# KiCad board coils_12_35_10_8_layer.kicad_pcb (continued)
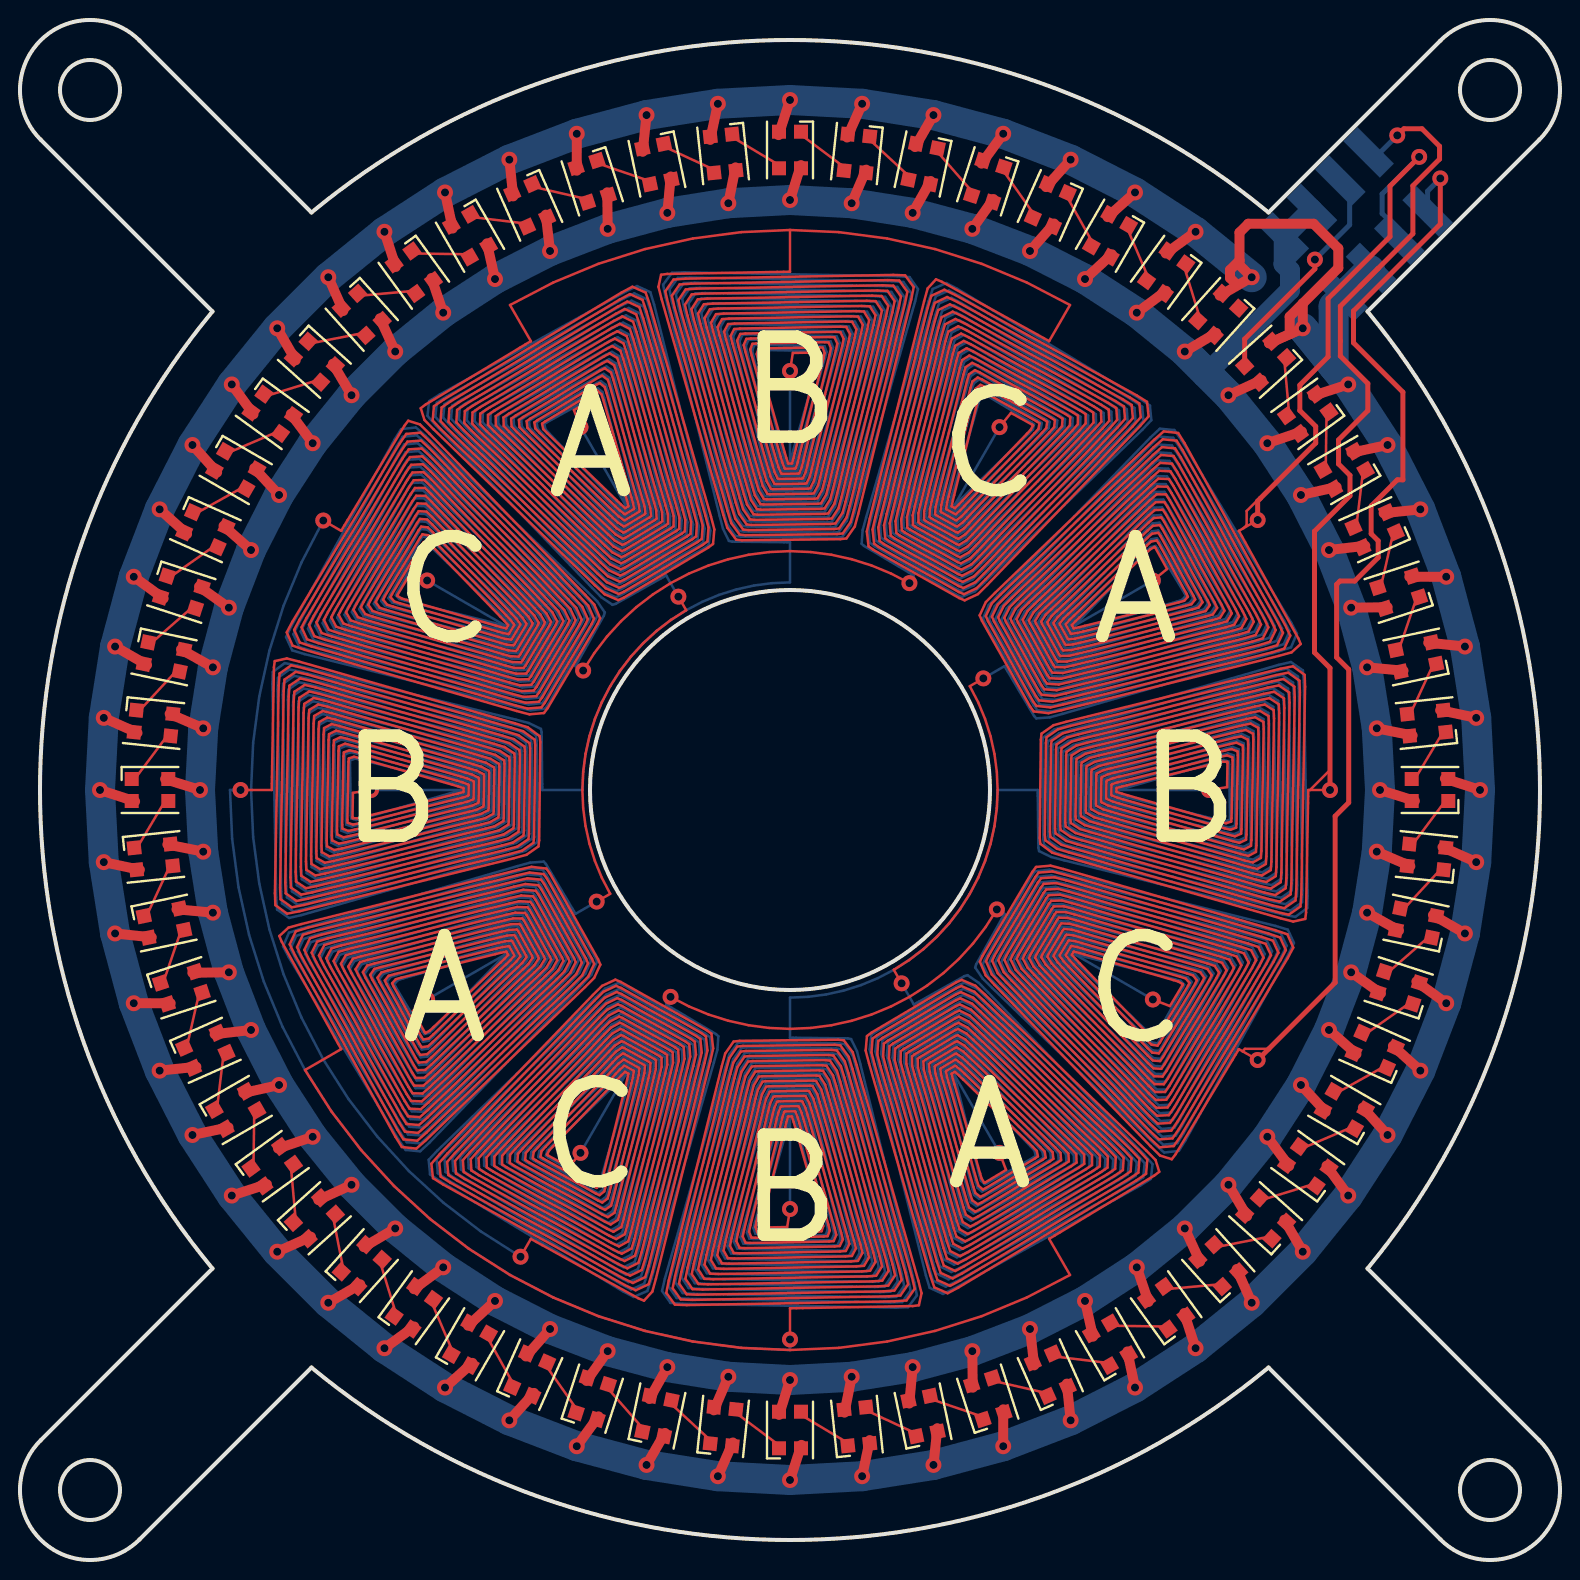
[diagram p0: board, top side]
## Routing (per net, layer and track width the routed paths; a pad name or vN(x,y) marks a point on that pad's centre or on a via; arc(x,y) is an arc through that point) (continued)
  In2.Cu w0.127: v1(20.36,28.03) 19.65,27.45 20.23,26.4 20.27,26.35 20.49,26.47 20.69,26.65 24.03,29.87 24.22,30.06 24.4,30.24 24.41,30.26 24.32,30.41 24.3,30.42 24.04,30.36 23.76,30.29 19.06,29.12 18.79,29.04 18.61,28.84 18.67,28.68 20.07,26.16 20.16,26.02 20.44,26.08 20.66,26.28 24.31,29.78 24.52,29.99 24.71,30.21 24.71,30.25 24.47,30.67 24.44,30.69 24.14,30.65 23.84,30.57 18.73,29.3 18.43,29.21 18.24,28.97 18.32,28.79 19.98,25.8 20.09,25.64 20.4,25.68 20.64,25.9 24.59,29.7 24.82,29.93 25.02,30.18 25.01,30.23 24.61,30.93 24.57,30.97 24.24,30.93 23.92,30.86 18.39,29.47 18.08,29.38 17.87,29.11 17.97,28.91 19.88,25.45 20.01,25.26 20.35,25.29 20.61,25.52 24.87,29.62 25.12,29.87 25.33,30.15 25.31,30.22 24.76,31.2 24.71,31.25 24.35,31.22 24,31.14 18.06,29.65 17.72,29.55 17.51,29.25 17.62,29.02 19.79,25.09 19.93,24.87 20.31,24.9 20.58,25.14 25.15,29.54 25.42,29.8 25.63,30.12 25.61,30.2 24.9,31.46 24.84,31.53 24.45,31.51 24.07,31.42 17.73,29.83 17.36,29.72 17.14,29.39 17.27,29.13 19.7,24.73 19.86,24.49 20.26,24.5 20.56,24.77 25.43,29.46 25.72,29.74 25.94,30.08 25.9,30.19 25.05,31.72 24.97,31.8 24.55,31.79 24.15,31.7 17.39,30.01 17,29.89 16.78,29.53 16.91,29.24 19.61,24.37 19.78,24.1 20.22,24.11 20.53,24.39 25.72,29.38 26.02,29.68 26.25,30.05 26.2,30.17 25.19,31.98 25.11,32.08 24.65,32.08 24.23,31.98 17.06,30.19 16.65,30.07 16.41,29.67 16.56,29.35 19.51,24.02 19.7,23.72 20.17,23.72 20.51,24.01 26,29.3 26.32,29.61 26.56,30.02 26.5,30.16 25.33,32.24 25.24,32.36 24.76,32.37 24.31,32.26 16.72,30.37 16.29,30.24 16.05,29.81 16.21,29.46 19.42,23.66 19.63,23.34 20.13,23.32 20.48,23.63 26.28,29.21 26.61,29.55 26.86,29.99 26.8,30.15 25.48,32.5 25.38,32.63 24.86,32.65 24.39,32.54 16.39,30.54 15.93,30.41 15.68,29.95 15.86,29.57 19.33,23.3 19.55,22.95 20.08,22.93 20.45,23.26 26.56,29.13 26.91,29.49 27.17,29.96 27.1,30.13 25.62,32.76 25.51,32.91 24.96,32.94 24.46,32.82 16.06,30.72 15.57,30.58 15.31,30.09 15.51,29.69 19.24,22.94 19.48,22.57 20.04,22.54 20.43,22.88 26.84,29.05 27.21,29.42 27.48,29.93 27.4,30.12 25.77,33.02 25.65,33.19 25.06,33.23 24.54,33.11 15.72,30.9 15.22,30.75 14.95,30.23 15.16,29.8 19.14,22.59 19.4,22.18 19.99,22.14 20.4,22.5 27.12,28.97 27.51,29.36 27.79,29.9 27.7,30.1 25.91,33.28 25.78,33.46 25.17,33.51 24.62,33.39 15.39,31.08 14.86,30.92 14.58,30.36 14.8,29.91 19.05,22.23 19.32,21.8 19.95,21.75 20.37,22.12 27.4,28.89 27.81,29.3 28.09,29.86 28,30.09 26.06,33.55 25.91,33.74 25.27,33.8 24.7,33.67 15.05,31.26 14.5,31.09 14.22,30.5 14.45,30.02 18.96,21.87 19.25,21.42 19.9,21.36 20.35,21.75 27.69,28.81 28.11,29.23 28.4,29.83 28.3,30.07 26.2,33.81 26.05,34.02 25.37,34.09 24.78,33.95 14.72,31.44 14.15,31.26 13.85,30.64 14.1,30.13 18.87,21.52 19.17,21.03 19.86,20.96 20.32,21.37 27.97,28.73 28.41,29.17 28.71,29.8 28.6,30.06 26.35,34.07 26.18,34.29 25.48,34.37 24.85,34.23 14.39,31.61 13.79,31.43 13.49,30.78 13.75,30.24 18.77,21.16 19.09,20.65 19.81,20.57 20.3,20.99 28.25,28.64 28.71,29.11 29.02,29.77 28.9,30.04 26.49,34.33 26.32,34.57 25.58,34.66 24.93,34.51 14.05,31.79 13.42,31.62 12.97,31.2 13.09,30.91 16.06,25.54 14.25,24.5 15.56,22.44 17.05,20.5 18.7,18.7 20.5,17.05 22.44,15.56 24.5,14.25 26.67,13.12 28.92,12.19 31.25,11.45 33.64,10.93 36.06,10.61 38.5,10.5 40.94,10.61 43.36,10.93 45.75,11.45 48.08,12.19 50.33,13.12 52.5,14.25 51.46,16.06 56.71,19.22 56.96,19.41 56.78,20 56.32,20.47 48.26,28.26 47.77,28.71 47.09,29.01 46.81,28.88 42.59,26.38 42.35,26.2 42.28,25.47 42.45,24.84 45.51,14.23 45.72,13.63 46.38,13.34 46.91,13.62 55.81,18.97 56.3,19.31 56.37,20.02 55.94,20.48 48.18,27.98 47.72,28.41 47.06,28.7 46.81,28.58 42.85,26.24 42.63,26.07 42.57,25.37 42.73,24.77 45.68,14.57 45.87,13.99 46.51,13.71 47.01,13.97 55.45,19.05 55.92,19.37 55.97,20.05 55.56,20.49 48.11,27.7 47.66,28.11 47.04,28.39 46.8,28.29 43.12,26.1 42.91,25.94 42.86,25.28 43.02,24.7 45.84,14.91 46.03,14.36 46.63,14.08 47.11,14.33 55.09,19.13 55.53,19.43 55.58,20.08 55.18,20.5 48.04,27.41 47.61,27.81 47.02,28.09 46.8,27.99 43.39,25.97 43.19,25.82 43.15,25.18 43.3,24.63 46.01,15.25 46.19,14.72 46.76,14.45 47.21,14.69 54.73,19.21 55.15,19.5 55.18,20.12 54.8,20.52 47.96,27.13 47.55,27.51 47,27.78 46.79,27.69 43.65,25.83 43.48,25.69 43.45,25.09 43.59,24.56 46.17,15.59 46.35,15.08 46.88,14.82 47.31,15.04 54.37,19.29 54.76,19.56 54.79,20.15 54.43,20.53 47.89,26.85 47.5,27.21 46.98,27.47 46.79,27.39 43.92,25.69 43.76,25.56 43.74,24.99 43.87,24.49 46.34,15.93 46.51,15.45 47.01,15.19 47.4,15.4 54,19.37 54.37,19.62 54.39,20.18 54.05,20.54 47.82,26.57 47.44,26.92 46.95,27.16 46.78,27.09 44.19,25.55 44.04,25.44 44.03,24.9 44.16,24.42 46.51,16.27 46.66,15.81 47.14,15.56 47.5,15.75 53.64,19.45 53.99,19.68 54,20.21 53.67,20.55 47.74,26.28 47.39,26.62 46.93,26.86 46.78,26.79 44.45,25.42 44.32,25.31 44.32,24.81 44.44,24.35 46.67,16.61 46.82,16.17 47.26,15.93 47.6,16.11 53.28,19.53 53.6,19.75 53.6,20.24 53.29,20.57 47.67,26 47.34,26.32 46.91,26.55 46.77,26.5 44.72,25.28 44.6,25.18 44.61,24.71 44.73,24.28 46.84,16.95 46.98,16.53 47.39,16.3 47.7,16.46 52.92,19.61 53.21,19.81 53.21,20.27 52.91,20.58 47.6,25.72 47.28,26.02 46.89,26.24 46.77,26.2 44.99,25.14 44.89,25.06 44.9,24.62 45.01,24.21 47.01,17.29 47.14,16.9 47.51,16.67 47.8,16.82 52.56,19.69 52.83,19.87 52.81,20.3 52.53,20.59 47.53,25.44 47.23,25.72 46.87,25.94 46.76,25.9 45.25,25 45.17,24.93 45.19,24.52 45.29,24.14 47.17,17.63 47.3,17.26 47.64,17.04 47.9,17.18 52.2,19.77 52.44,19.93 52.42,20.33 52.16,20.6 47.45,25.15 47.17,25.42 46.84,25.63 46.76,25.6 45.52,24.87 45.45,24.81 45.48,24.43 45.58,24.07 47.34,17.97 47.45,17.62 47.76,17.41 48,17.53 51.84,19.85 52.06,20 52.02,20.36 51.78,20.62 47.38,24.87 47.12,25.12 46.82,25.32 46.75,25.3 45.79,24.73 45.73,24.68 45.77,24.33 45.86,24 47.5,18.31 47.61,17.99 47.89,17.78 48.09,17.89 51.48,19.93 51.67,20.06 51.63,20.39 51.4,20.63 47.31,24.59 47.06,24.82 46.8,25.02 46.75,25 46.05,24.59 46.02,24.55 46.06,24.24 46.15,23.93 47.67,18.65 47.77,18.35 48.02,18.16 48.19,18.24 51.12,20.01 51.28,20.12 51.23,20.42 51.02,20.64 47.23,24.31 47.01,24.52 46.78,24.71 46.74,24.71 46.32,24.46 46.3,24.43 46.35,24.14 46.43,23.86 47.84,18.99 47.93,18.71 48.14,18.53 48.29,18.6 50.76,20.09 50.9,20.18 50.84,20.45 50.64,20.66 47.16,24.02 46.96,24.22 46.75,24.4 46.73,24.41 46.58,24.32 46.58,24.3 46.64,24.05 46.72,23.79 48,19.33 48.08,19.08 48.21,18.86 48.27,18.88 49.3,19.5 v1(48.98,20.36) ; v1(61.88,25) 60.94,25.54 57.78,20.29 57.59,20.04 57,20.22 56.53,20.68 48.74,28.74 48.29,29.23 47.99,29.91 48.12,30.19 50.62,34.41 50.8,34.65 51.53,34.72 52.16,34.55 62.77,31.49 63.37,31.28 63.66,30.62 63.38,30.09 58.03,21.19 57.69,20.7 56.98,20.63 56.52,21.06 49.02,28.82 48.59,29.28 48.3,29.94 48.42,30.19 50.76,34.15 50.93,34.37 51.63,34.43 52.23,34.27 62.43,31.32 63.01,31.13 63.29,30.49 63.03,29.99 57.95,21.55 57.63,21.08 56.95,21.03 56.51,21.44 49.3,28.89 48.89,29.34 48.61,29.96 48.71,30.2 50.9,33.88 51.06,34.09 51.72,34.14 52.3,33.98 62.09,31.16 62.64,30.97 62.92,30.37 62.67,29.89 57.87,21.91 57.57,21.47 56.92,21.42 56.5,21.82 49.59,28.96 49.19,29.39 48.91,29.98 49.01,30.2 51.03,33.61 51.18,33.81 51.82,33.85 52.37,33.7 61.75,30.99 62.28,30.81 62.55,30.24 62.31,29.79 57.79,22.27 57.5,21.85 56.88,21.82 56.48,22.2 49.87,29.04 49.49,29.45 49.22,30 49.31,30.21 51.17,33.35 51.31,33.52 51.91,33.55 52.44,33.41 61.41,30.83 61.92,30.65 62.18,30.12 61.96,29.69 57.71,22.63 57.44,22.24 56.85,22.21 56.47,22.57 50.15,29.11 49.79,29.5 49.53,30.02 49.61,30.21 51.31,33.08 51.44,33.24 52.01,33.26 52.51,33.13 61.07,30.66 61.55,30.49 61.81,29.99 61.6,29.6 57.63,23 57.38,22.63 56.82,22.61 56.46,22.95 50.43,29.18 50.08,29.56 49.84,30.05 49.91,30.22 51.45,32.81 51.56,32.96 52.1,32.97 52.58,32.84 60.73,30.49 61.19,30.34 61.44,29.86 61.25,29.5 57.55,23.36 57.32,23.01 56.79,23 56.45,23.33 50.72,29.26 50.38,29.61 50.14,30.07 50.21,30.22 51.58,32.55 51.69,32.68 52.19,32.68 52.65,32.56 60.39,30.33 60.83,30.18 61.07,29.74 60.89,29.4 57.47,23.72 57.25,23.4 56.76,23.4 56.43,23.71 51,29.33 50.68,29.66 50.45,30.09 50.5,30.23 51.72,32.28 51.82,32.4 52.29,32.39 52.72,32.27 60.05,30.16 60.47,30.02 60.7,29.61 60.54,29.3 57.39,24.08 57.19,23.79 56.73,23.79 56.42,24.09 51.28,29.4 50.98,29.72 50.76,30.11 50.8,30.23 51.86,32.01 51.94,32.11 52.38,32.1 52.79,31.99 59.71,29.99 60.1,29.86 60.33,29.49 60.18,29.2 57.31,24.44 57.13,24.17 56.7,24.19 56.41,24.47 51.56,29.47 51.28,29.77 51.06,30.13 51.1,30.24 52,31.75 52.07,31.83 52.48,31.81 52.86,31.71 59.37,29.83 59.74,29.7 59.96,29.36 59.82,29.1 57.23,24.8 57.07,24.56 56.67,24.58 56.4,24.84 51.85,29.55 51.58,29.83 51.37,30.16 51.4,30.24 52.13,31.48 52.19,31.55 52.57,31.52 52.93,31.42 59.03,29.66 59.38,29.55 59.59,29.24 59.47,29 57.15,25.16 57,24.94 56.64,24.98 56.38,25.22 52.13,29.62 51.88,29.88 51.68,30.18 51.7,30.25 52.27,31.21 52.32,31.27 52.67,31.23 53,31.14 58.69,29.5 59.01,29.39 59.22,29.11 59.11,28.91 57.07,25.52 56.94,25.33 56.61,25.37 56.37,25.6 52.41,29.69 52.18,29.94 51.98,30.2 52,30.25 52.41,30.95 52.45,30.98 52.76,30.94 53.07,30.85 58.35,29.33 58.65,29.23 58.84,28.98 58.76,28.81 56.99,25.88 56.88,25.72 56.58,25.77 56.36,25.98 52.69,29.77 52.48,29.99 52.29,30.22 52.29,30.26 52.54,30.68 52.57,30.7 52.86,30.65 53.14,30.57 58.01,29.16 58.29,29.07 58.47,28.86 58.4,28.71 56.91,26.24 56.82,26.1 56.55,26.16 56.34,26.36 52.98,29.84 52.78,30.04 52.6,30.25 52.59,30.27 52.68,30.42 52.7,30.42 52.95,30.36 53.21,30.28 57.67,29 57.92,28.92 58.14,28.79 58.12,28.73 57.5,27.7 v1(56.64,28.03) ; v1(38.5,59.45) 38.64,60.35 39.84,60.37 39.91,60.36 39.91,60.11 39.85,59.85 38.74,55.35 38.67,55.09 38.6,54.84 38.59,54.82 38.41,54.82 38.4,54.84 38.32,55.09 38.24,55.37 36.91,60.03 36.84,60.3 36.92,60.56 37.09,60.58 39.97,60.63 40.14,60.62 40.23,60.35 40.17,60.06 38.95,55.15 38.88,54.86 38.78,54.59 38.75,54.57 38.26,54.57 38.23,54.58 38.12,54.86 38.03,55.16 36.58,60.23 36.51,60.52 36.62,60.81 36.82,60.83 40.23,60.89 40.43,60.88 40.55,60.58 40.48,60.27 39.16,54.95 39.08,54.63 38.97,54.34 38.91,54.32 38.11,54.31 38.06,54.33 37.92,54.63 37.83,54.95 36.26,60.43 36.18,60.75 36.32,61.06 36.54,61.08 40.5,61.15 40.73,61.13 40.87,60.82 40.8,60.48 39.37,54.74 39.29,54.41 39.15,54.09 39.08,54.07 37.95,54.05 37.88,54.07 37.73,54.4 37.62,54.74 35.94,60.63 35.86,60.97 36.01,61.3 36.27,61.33 40.76,61.41 41.02,61.39 41.18,61.06 41.11,60.69 39.59,54.54 39.49,54.18 39.33,53.84 39.24,53.82 37.8,53.8 37.71,53.82 37.53,54.17 37.42,54.53 35.62,60.83 35.53,61.2 35.71,61.55 36,61.57 41.02,61.67 41.31,61.65 41.5,61.29 41.42,60.91 39.8,54.34 39.7,53.95 39.51,53.58 39.4,53.56 37.65,53.54 37.54,53.56 37.33,53.93 37.22,54.33 35.3,61.03 35.2,61.42 35.41,61.8 35.73,61.82 41.29,61.92 41.61,61.91 41.82,61.53 41.74,61.12 40.01,54.13 39.9,53.72 39.69,53.33 39.56,53.31 37.49,53.29 37.36,53.31 37.14,53.7 37.01,54.12 34.98,61.23 34.88,61.64 35.1,62.04 35.45,62.07 41.55,62.18 41.9,62.17 42.14,61.76 42.05,61.33 40.22,53.93 40.1,53.5 39.87,53.08 39.72,53.06 37.34,53.03 37.19,53.05 36.94,53.47 36.81,53.91 34.66,61.43 34.55,61.87 34.8,62.29 35.18,62.32 41.81,62.44 42.2,62.43 42.46,62 42.36,61.54 40.43,53.73 40.31,53.27 40.05,52.83 39.89,52.81 37.18,52.78 37.02,52.8 36.74,53.24 36.6,53.7 34.34,61.63 34.22,62.09 34.5,62.54 34.91,62.57 42.08,62.7 42.49,62.68 42.78,62.23 42.68,61.75 40.64,53.52 40.51,53.04 40.23,52.58 40.05,52.55 37.03,52.52 36.85,52.54 36.55,53 36.4,53.49 34.01,61.83 33.9,62.32 34.19,62.79 34.64,62.82 42.34,62.96 42.79,62.94 43.09,62.47 42.99,61.96 40.85,53.32 40.72,52.81 40.41,52.33 40.21,52.3 36.88,52.26 36.67,52.29 36.35,52.77 36.19,53.28 33.69,62.03 33.57,62.54 33.89,63.03 34.37,63.07 42.6,63.22 43.08,63.2 43.41,62.7 43.31,62.17 41.07,53.12 40.92,52.59 40.6,52.08 40.37,52.05 36.72,52.01 36.5,52.03 36.15,52.54 35.99,53.08 33.37,62.23 33.24,62.76 33.59,63.28 34.09,63.32 42.87,63.48 43.37,63.46 43.73,62.94 43.62,62.39 41.28,52.91 41.13,52.36 40.78,51.83 40.54,51.8 36.57,51.75 36.33,51.78 35.96,52.31 35.78,52.87 33.05,62.43 32.92,62.99 33.28,63.53 33.82,63.57 43.13,63.74 43.67,63.72 44.05,63.18 43.93,62.6 41.49,52.71 41.33,52.13 40.96,51.58 40.7,51.55 36.42,51.5 36.16,51.52 35.76,52.08 35.58,52.66 32.73,62.63 32.59,63.21 32.98,63.77 33.55,63.82 43.39,63.99 43.96,63.97 44.37,63.41 44.25,62.81 41.7,52.51 41.54,51.9 41.14,51.33 40.86,51.29 36.26,51.24 35.98,51.27 35.56,51.84 35.37,52.45 32.41,62.83 32.27,63.44 32.68,64.02 33.28,64.07 43.66,64.25 44.26,64.23 44.69,63.65 44.56,63.02 41.91,52.31 41.74,51.68 41.32,51.08 41.02,51.04 36.11,50.99 35.81,51.02 35.37,51.61 35.17,52.24 32.09,63.03 31.92,63.66 32.06,64.26 32.37,64.3 38.5,64.41 38.5,66.5 ; v1(15.16,51.97) 16.06,51.46 19.22,56.71 19.41,56.96 20,56.78 20.47,56.32 28.26,48.26 28.71,47.77 29.01,47.09 28.88,46.81 26.38,42.59 26.2,42.35 25.47,42.28 24.84,42.45 14.23,45.51 13.63,45.72 13.34,46.38 13.62,46.91 18.97,55.81 19.31,56.3 20.02,56.37 20.48,55.94 27.98,48.18 28.41,47.72 28.7,47.06 28.58,46.81 26.24,42.85 26.07,42.63 25.37,42.57 24.77,42.73 14.57,45.68 13.99,45.87 13.71,46.51 13.97,47.01 19.05,55.45 19.37,55.92 20.05,55.97 20.49,55.56 27.7,48.11 28.11,47.66 28.39,47.04 28.29,46.8 26.1,43.12 25.94,42.91 25.28,42.86 24.7,43.02 14.91,45.84 14.36,46.03 14.08,46.63 14.33,47.11 19.13,55.09 19.43,55.53 20.08,55.58 20.5,55.18 27.41,48.04 27.81,47.61 28.09,47.02 27.99,46.8 25.97,43.39 25.82,43.19 25.18,43.15 24.63,43.3 15.25,46.01 14.72,46.19 14.45,46.76 14.69,47.21 19.21,54.73 19.5,55.15 20.12,55.18 20.52,54.8 27.13,47.96 27.51,47.55 27.78,47 27.69,46.79 25.83,43.65 25.69,43.48 25.09,43.45 24.56,43.59 15.59,46.17 15.08,46.35 14.82,46.88 15.04,47.31 19.29,54.37 19.56,54.76 20.15,54.79 20.53,54.43 26.85,47.89 27.21,47.5 27.47,46.98 27.39,46.79 25.69,43.92 25.56,43.76 24.99,43.74 24.49,43.87 15.93,46.34 15.45,46.51 15.19,47.01 15.4,47.4 19.37,54 19.62,54.37 20.18,54.39 20.54,54.05 26.57,47.82 26.92,47.44 27.16,46.95 27.09,46.78 25.55,44.19 25.44,44.04 24.9,44.03 24.42,44.16 16.27,46.51 15.81,46.66 15.56,47.14 15.75,47.5 19.45,53.64 19.68,53.99 20.21,54 20.55,53.67 26.28,47.74 26.62,47.39 26.86,46.93 26.79,46.78 25.42,44.45 25.31,44.32 24.81,44.32 24.35,44.44 16.61,46.67 16.17,46.82 15.93,47.26 16.11,47.6 19.53,53.28 19.75,53.6 20.24,53.6 20.57,53.29 26,47.67 26.32,47.34 26.55,46.91 26.5,46.77 25.28,44.72 25.18,44.6 24.71,44.61 24.28,44.73 16.95,46.84 16.53,46.98 16.3,47.39 16.46,47.7 19.61,52.92 19.81,53.21 20.27,53.21 20.58,52.91 25.72,47.6 26.02,47.28 26.24,46.89 26.2,46.77 25.14,44.99 25.06,44.89 24.62,44.9 24.21,45.01 17.29,47.01 16.9,47.14 16.67,47.51 16.82,47.8 19.69,52.56 19.87,52.83 20.3,52.81 20.59,52.53 25.44,47.53 25.72,47.23 25.94,46.87 25.9,46.76 25,45.25 24.93,45.17 24.52,45.19 24.14,45.29 17.63,47.17 17.26,47.3 17.04,47.64 17.18,47.9 19.77,52.2 19.93,52.44 20.33,52.42 20.6,52.16 25.15,47.45 25.42,47.17 25.63,46.84 25.6,46.76 24.87,45.52 24.81,45.45 24.43,45.48 24.07,45.58 17.97,47.34 17.62,47.45 17.41,47.76 17.53,48 19.85,51.84 20,52.06 20.36,52.02 20.62,51.78 24.87,47.38 25.12,47.12 25.32,46.82 25.3,46.75 24.73,45.79 24.68,45.73 24.33,45.77 24,45.86 18.31,47.5 17.99,47.61 17.78,47.89 17.89,48.09 19.93,51.48 20.06,51.67 20.39,51.63 20.63,51.4 24.59,47.31 24.82,47.06 25.02,46.8 25,46.75 24.59,46.05 24.55,46.02 24.24,46.06 23.93,46.15 18.65,47.67 18.35,47.77 18.16,48.02 18.24,48.19 20.01,51.12 20.12,51.28 20.42,51.23 20.64,51.02 24.31,47.23 24.52,47.01 24.71,46.78 24.71,46.74 24.46,46.32 24.43,46.3 24.14,46.35 23.86,46.43 18.99,47.84 18.71,47.93 18.53,48.14 18.6,48.29 20.09,50.76 20.18,50.9 20.45,50.84 20.66,50.64 24.02,47.16 24.22,46.96 24.4,46.75 24.41,46.73 24.32,46.58 24.3,46.58 24.05,46.64 23.79,46.72 19.33,48 19.08,48.08 18.86,48.21 18.88,48.27 19.5,49.3 v1(20.36,48.98) ; v1(28.02,56.64) 27.7,57.5 28.73,58.12 28.79,58.14 28.92,57.92 29,57.67 30.28,53.21 30.36,52.95 30.42,52.7 30.42,52.68 30.27,52.59 30.25,52.6 30.04,52.78 29.84,52.98 26.36,56.34 26.16,56.55 26.1,56.82 26.24,56.91 28.71,58.4 28.86,58.47 29.07,58.29 29.16,58.01 30.57,53.14 30.65,52.86 30.7,52.57 30.68,52.54 30.26,52.29 30.22,52.29 29.99,52.48 29.77,52.69 25.98,56.36 25.77,56.58 25.72,56.88 25.88,56.99 28.81,58.76 28.98,58.84 29.23,58.65 29.33,58.35 30.85,53.07 30.94,52.76 30.98,52.45 30.95,52.41 30.25,52 30.2,51.98 29.94,52.18 29.69,52.41 25.6,56.37 25.37,56.61 25.33,56.94 25.52,57.07 28.91,59.11 29.11,59.22 29.39,59.01 29.5,58.69 31.14,53 31.23,52.67 31.27,52.32 31.21,52.27 30.25,51.7 30.18,51.68 29.88,51.88 29.62,52.13 25.22,56.38 24.98,56.64 24.94,57 25.16,57.15 29,59.47 29.24,59.59 29.55,59.38 29.66,59.03 31.42,52.93 31.52,52.57 31.55,52.19 31.48,52.13 30.24,51.4 30.16,51.37 29.83,51.58 29.55,51.85 24.84,56.4 24.58,56.67 24.56,57.07 24.8,57.23 29.1,59.82 29.36,59.96 29.7,59.74 29.83,59.37 31.71,52.86 31.81,52.48 31.83,52.07 31.75,52 30.24,51.1 30.13,51.06 29.77,51.28 29.47,51.56 24.47,56.41 24.19,56.7 24.17,57.13 24.44,57.31 29.2,60.18 29.49,60.33 29.86,60.1 29.99,59.71 31.99,52.79 32.1,52.38 32.11,51.94 32.01,51.86 30.23,50.8 30.11,50.76 29.72,50.98 29.4,51.28 24.09,56.42 23.79,56.73 23.79,57.19 24.08,57.39 29.3,60.54 29.61,60.7 30.02,60.47 30.16,60.05 32.27,52.72 32.39,52.29 32.4,51.82 32.28,51.72 30.23,50.5 30.09,50.45 29.66,50.68 29.33,51 23.71,56.43 23.4,56.76 23.4,57.25 23.72,57.47 29.4,60.89 29.74,61.07 30.18,60.83 30.33,60.39 32.56,52.65 32.68,52.19 32.68,51.69 32.55,51.58 30.22,50.21 30.07,50.14 29.61,50.38 29.26,50.72 23.33,56.45 23,56.79 23.01,57.32 23.36,57.55 29.5,61.25 29.86,61.44 30.34,61.19 30.49,60.73 32.84,52.58 32.97,52.1 32.96,51.56 32.81,51.45 30.22,49.91 30.05,49.84 29.56,50.08 29.18,50.43 22.95,56.46 22.61,56.82 22.63,57.38 23,57.63 29.6,61.6 29.99,61.81 30.49,61.55 30.66,61.07 33.13,52.51 33.26,52.01 33.24,51.44 33.08,51.31 30.21,49.61 30.02,49.53 29.5,49.79 29.11,50.15 22.57,56.47 22.21,56.85 22.24,57.44 22.63,57.71 29.69,61.96 30.12,62.18 30.65,61.92 30.83,61.41 33.41,52.44 33.55,51.91 33.52,51.31 33.35,51.17 30.21,49.31 30,49.22 29.45,49.49 29.04,49.87 22.2,56.48 21.82,56.88 21.85,57.5 22.27,57.79 29.79,62.31 30.24,62.55 30.81,62.28 30.99,61.75 33.7,52.37 33.85,51.82 33.81,51.18 33.61,51.03 30.2,49.01 29.98,48.91 29.39,49.19 28.96,49.59 21.82,56.5 21.42,56.92 21.47,57.57 21.91,57.87 29.89,62.67 30.37,62.92 30.97,62.64 31.16,62.09 33.98,52.3 34.14,51.72 34.09,51.06 33.88,50.9 30.2,48.71 29.96,48.61 29.34,48.89 28.89,49.3 21.44,56.51 21.03,56.95 21.08,57.63 21.55,57.95 29.99,63.03 30.49,63.29 31.13,63.01 31.32,62.43 34.27,52.23 34.43,51.63 34.37,50.93 34.15,50.76 30.19,48.42 29.94,48.3 29.28,48.59 28.82,49.02 21.06,56.52 20.63,56.98 20.7,57.69 21.19,58.03 30.09,63.38 30.62,63.66 31.28,63.37 31.49,62.77 34.55,52.16 34.72,51.53 34.65,50.8 34.41,50.62 30.19,48.12 29.91,47.99 29.23,48.29 28.74,48.74 20.68,56.53 20.22,57 20.04,57.59 20.29,57.78 25.54,60.94 24.5,62.75 26.67,63.88 28.92,64.81 31.25,65.55 33.64,66.07 36.06,66.39 38.5,66.5 ; v1(17.55,38.5) 16.65,38.36 16.63,37.16 16.64,37.09 16.89,37.09 17.15,37.15 21.65,38.26 21.91,38.33 22.16,38.4 22.18,38.41 22.18,38.59 22.16,38.6 21.91,38.68 21.63,38.76 16.97,40.09 16.7,40.16 16.44,40.08 16.42,39.91 16.37,37.03 16.38,36.86 16.65,36.77 16.94,36.83 21.85,38.05 22.14,38.12 22.41,38.22 22.43,38.25 22.43,38.74 22.42,38.77 22.14,38.88 21.84,38.97 16.77,40.42 16.48,40.49 16.19,40.38 16.17,40.18 16.11,36.77 16.12,36.57 16.42,36.45 16.73,36.52 22.05,37.84 22.37,37.92 22.66,38.03 22.68,38.09 22.69,38.89 22.67,38.94 22.37,39.08 22.05,39.17 16.57,40.74 16.25,40.82 15.94,40.68 15.92,40.46 15.85,36.5 15.87,36.27 16.18,36.13 16.52,36.2 22.26,37.63 22.59,37.71 22.91,37.85 22.93,37.92 22.95,39.05 22.93,39.12 22.6,39.27 22.26,39.38 16.37,41.06 16.03,41.14 15.7,40.99 15.67,40.73 15.59,36.24 15.61,35.98 15.94,35.82 16.31,35.89 22.46,37.41 22.82,37.51 23.16,37.67 23.18,37.76 23.2,39.2 23.18,39.29 22.83,39.47 22.47,39.58 16.17,41.38 15.8,41.47 15.45,41.29 15.43,41 15.33,35.98 15.35,35.69 15.71,35.5 16.09,35.58 22.66,37.2 23.05,37.3 23.42,37.49 23.44,37.6 23.46,39.35 23.44,39.46 23.07,39.67 22.67,39.78 15.97,41.7 15.58,41.8 15.2,41.59 15.18,41.27 15.08,35.71 15.09,35.39 15.47,35.18 15.88,35.26 22.87,36.99 23.28,37.1 23.67,37.31 23.69,37.44 23.71,39.51 23.69,39.64 23.3,39.86 22.88,39.99 15.77,42.02 15.36,42.12 14.96,41.9 14.93,41.55 14.82,35.45 14.83,35.1 15.24,34.86 15.67,34.95 23.07,36.78 23.5,36.9 